# KiCad board Master Timing Card.kicad_pcb (continued)
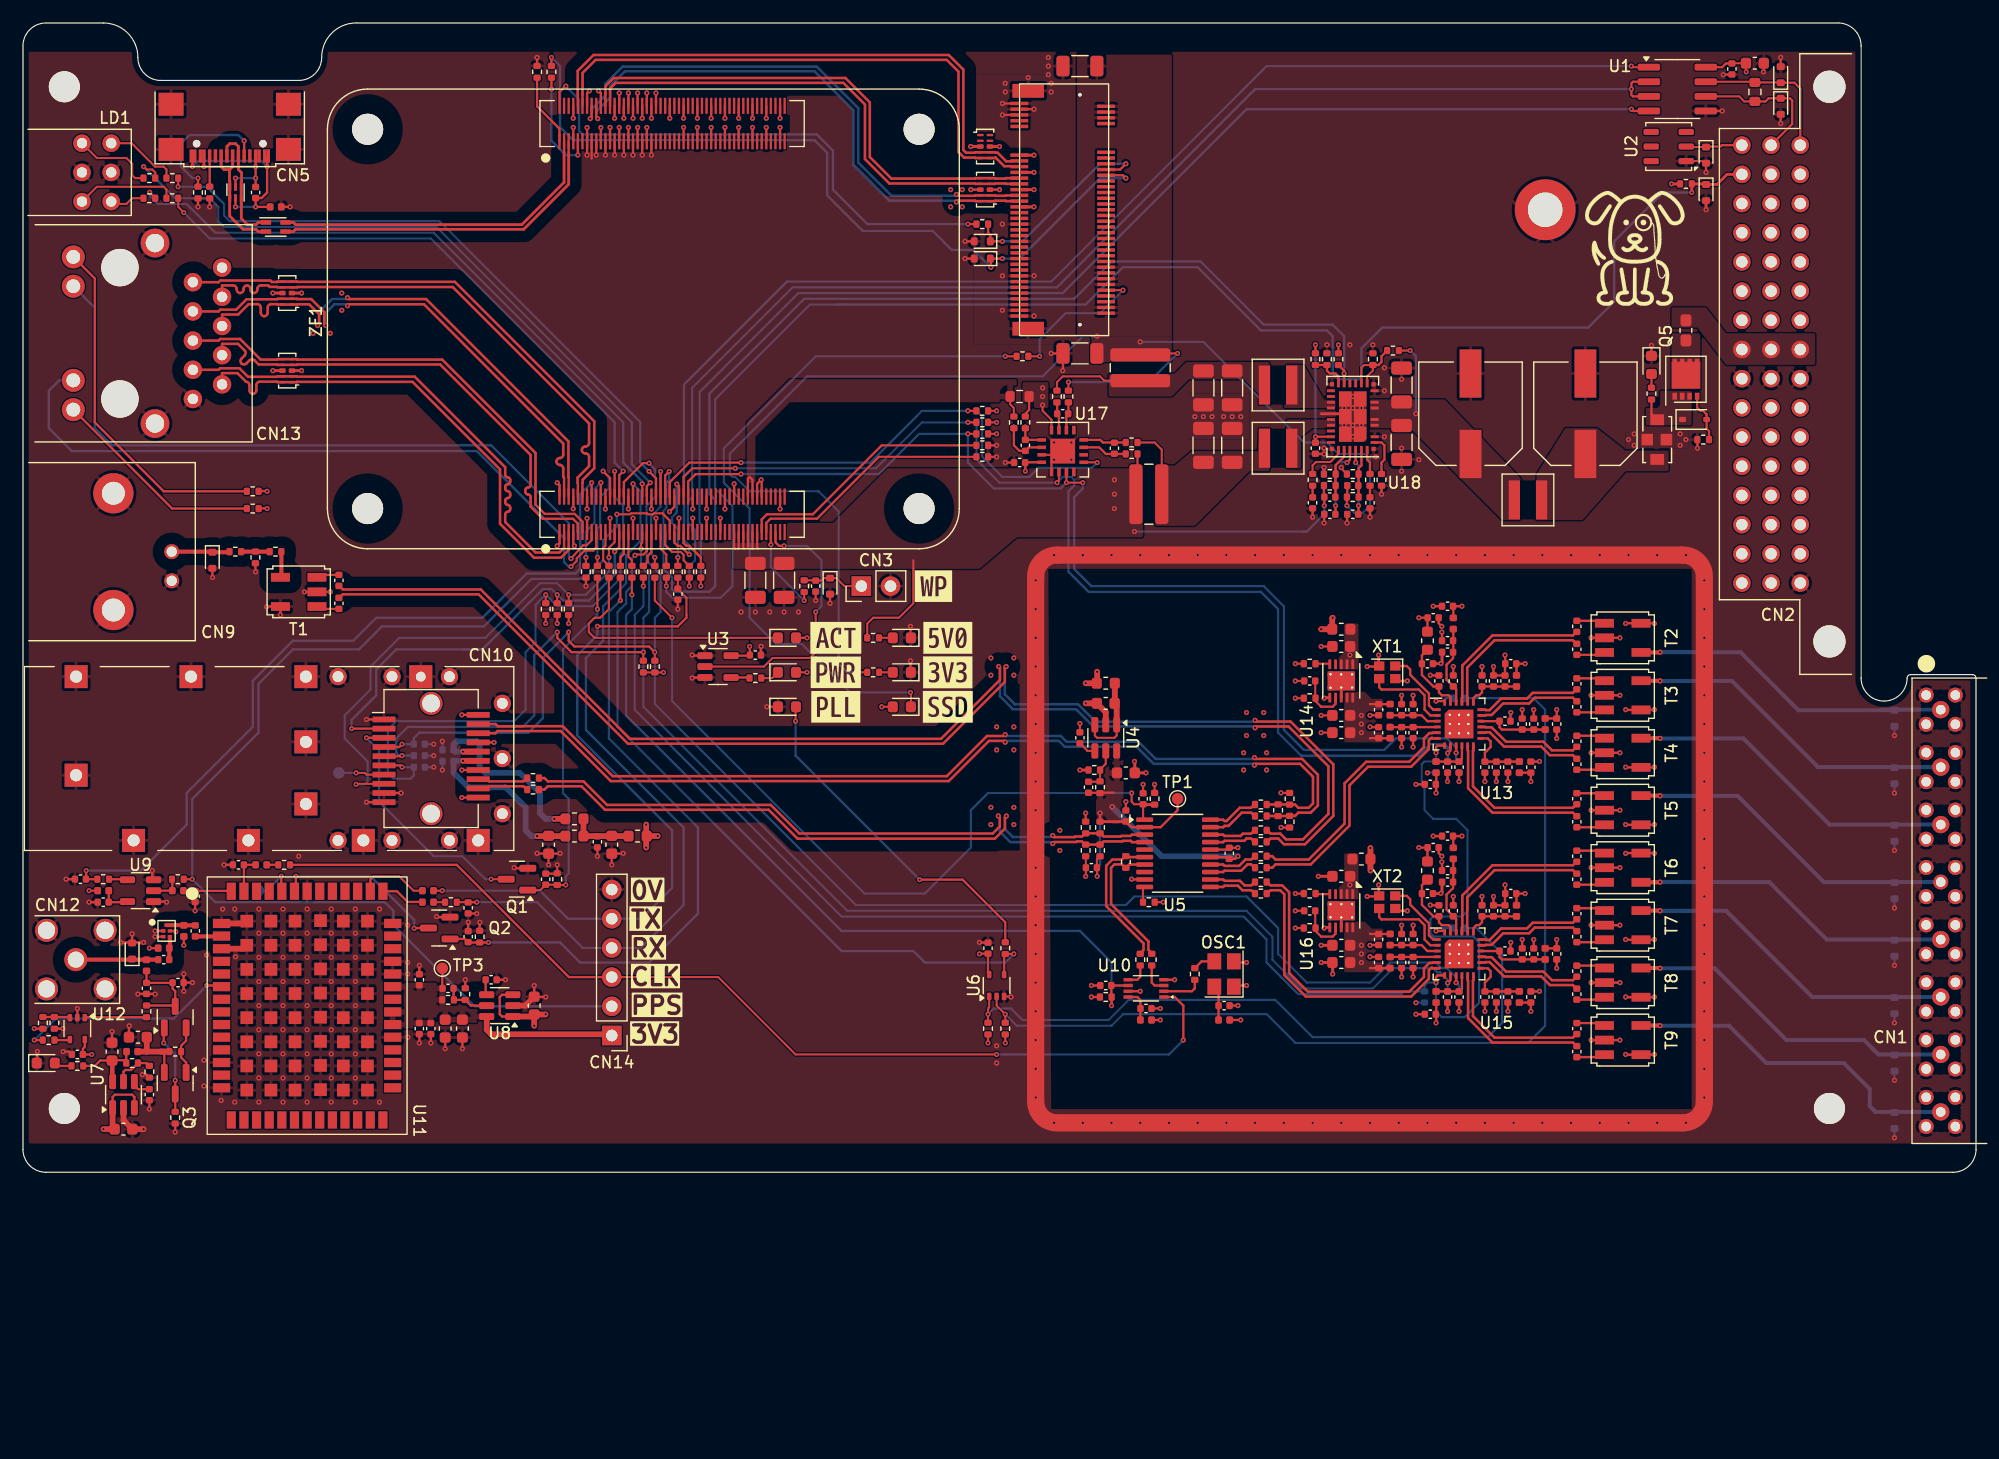
[diagram p0: board, top side]
## Placement (name value [footprint] x y rotation side) (continued)
R107  56m  [R_1020_2550Metric]  97.25 70 90 top
R108  160k  [R_0402_1005Metric]  113.75 59.75 0 top
R109  30k  [R_0402_1005Metric]  113.75 60.75 180 top
R110  47k  [R_0402_1005Metric]  115.75 58.75 0 top
R111  15k  [R_0402_1005Metric]  115.75 60.75 180 top
R112  4k7  [R_0402_1005Metric]  74 46.5 0 top
R113  4k7  [R_0402_1005Metric]  74 43.5 0 top
R114  6R8  [R_0402_1005Metric]  96.5 63.5 180 top
R115  6R8  [R_0402_1005Metric]  96.5 62.5 180 top
R116  6R8  [R_0402_1005Metric]  90 67.5 270 top
R117  6R8  [R_0402_1005Metric]  91 67.5 270 top
SH1  MS585-10F  [Shield_Masach_MS585-10_58.2x49.4x4.7mm_SMD]  117.25 29 0 top
T1  TC2-72T+  [MiniCircuits_AT1521]  24 50.5 270 top
T2  TC2-72T+  [MiniCircuits_AT1521]  139.25 46.5 90 top
T3  TC2-72T+  [MiniCircuits_AT1521]  139.25 41.5 90 top
T4  TC2-72T+  [MiniCircuits_AT1521]  139.25 36.5 90 top
T5  TC2-72T+  [MiniCircuits_AT1521]  139.25 31.5 90 top
T6  TC2-72T+  [MiniCircuits_AT1521]  139.25 26.5 90 top
T7  TC2-72T+  [MiniCircuits_AT1521]  139.25 21.5 90 top
T8  TC2-72T+  [MiniCircuits_AT1521]  139.25 16.5 90 top
T9  TC2-72T+  [MiniCircuits_AT1521]  139.25 11.5 90 top
TP1  ~  [TestPoint_Pad_D1.0mm]  100.5 32.5 0 top
TP2  ~  [TestPoint_Pad_D1.0mm]  27.5 34.75 180 bottom
TP3  ~  [TestPoint_Pad_D1.0mm]  36.5 17.75 0 top
TP4  ~  [TestPoint_Pad_D1.0mm]  20.5 24.5 180 bottom
U1  Analog MAX3483ESA+  [SOIC-8_3.9x4.9mm_P1.27mm]  144 94.25 0 top
U2  DS2431P+  [TSOC-6_3.76x3.94mm_P1.27mm]  143.25 89.25 180 top
U3  SN74LVC1G125DBV  [SOT-23-5]  60.5 44 0 top
U4  TI TPS79301DBV  [SOT-23-6]  94.25 37.8 270 top
U5  SY75576LKY  [TSSOP-20_4.4x6.5mm_P0.65mm]  100.5 27.75 0 top
U6  SN74LVC1G02DCK  [SOT-353_SC-70-5]  84.75 16.25 90 top
U7  TI TPS79301DBV  [SOT-23-6]  8.75 6.75 90 top
U8  TI TPS79301DBV  [SOT-23-6]  41.5 14.5 180 top
U9  SN74LVC1G125DBV  [SOT-23-5]  10.23 24.5 180 top
U10  SN74LVC2G157DCU  [VSSOP-8_2.3x2mm_P0.5mm]  97.75 16 180 top
U11  ZED-F9T-10B  [uBlox_ZED]  24.73 14.5 270 top
U12  TLV7031DCK  [SOT-353_SC-70-5]  4.73 12.5 270 top
U13  RC32504A000GNK#BB0  [Renesas_QFN-24-1EP_4x4mm_P0.5mm_EP2.5x2.5mm_ThermalVias]  125 39 0 top
U14  LT3045IDD#PBF  [DFN-10-1EP_3x3mm_P0.5mm_EP1.65x2.38mm_ThermalVias]  114.75 42.75 270 top
U15  RC32504A000GNK#BB0  [Renesas_QFN-24-1EP_4x4mm_P0.5mm_EP2.5x2.5mm_ThermalVias]  125 19 0 top
U16  LT3045IDD#PBF  [DFN-10-1EP_3x3mm_P0.5mm_EP1.65x2.38mm_ThermalVias]  114.75 22.75 270 top
U17  INA3221AIRGV  [Texas_VQFN-16-1EP_RGV0016A]  90.5 62.75 0 top
U18  Analog LT8650SEV#PBF  [LQFN-32(28)-6EP_6x4mm_P0.5mm_EP1.1x1.33mm]  115.75 65.75 180 top
XT1  60MHz  [Crystal_SMD_2016-4Pin_2.0x1.6mm]  118.75 43.5 180 top
XT2  60MHz  [Crystal_SMD_2016-4Pin_2.0x1.6mm]  118.75 23.5 180 top
ZD1  15V  [D_SOD-323]  145.5 65.5 0 top
ZF1  CM4004016  [Raspberry-Pi-4-Compute-Module]  78 57.75 90 top

## Library data of the parts
C1 C11 C15 C23 C28 C32 C33 C41-C43 C49 C85 C91 C92 C128 C134 C135 = -: Datasheet: https://www.mouser.co.uk/datasheet/2/585/MLCC-1837944.pdf; Dielectric: X5R; Height: 0.9mm; MPN: CL10A106MO8NQNC; Manufacturer: Samsung Electro-Mechanics; Tolerance: 20%; Voltage: 16V
C2 C3 C6 C8 C12 C13 C16-C22 C24 C27 C30 C34-C38 C45 C48 C50-C53 C56 C58-C64 C72-C78 C83 C88 C93-C107 C115-C121 C126 C131 C136-C143 C154 = -: Datasheet: https://www.yageo.com/upload/media/product/productsearch/datasheet/mlcc/UPY-GPHC_X7R_6.3V-to-250V_23.pdf; Dielectric: X7R; Height: 0.5mm; MPN: CC0402KRX7R8BB104; Manufacturer: Yageo; Tolerance: 10%; Voltage: 25V
C4 C5 C9 C10 = -: Datasheet: https://www.farnell.com/datasheets/3673819.pdf; Dielectric: X5R; Height: 2.29mm; MPN: 12063D226KAT2A; Manufacturer: Kyocera AVX; Tolerance: 10%; Voltage: 25V
C7 C90 C133 C149 C161 C162 = -: Datasheet: https://www.mouser.co.uk/datasheet/2/447/KEM_C1006_X5R_SMD-3316465.pdf; Dielectric: X5R; Height: Nonemm; MPN: C0402C105K4PACTU; Manufacturer: Kemet; Tolerance: 0.1; Voltage: 16V
C14 C40 = -: Datasheet: https://www.mouser.co.uk/datasheet/2/447/KEM_C1006_X5R_SMD-3316465.pdf; Dielectric: NP0/C0G; Height: 0.5mm; MPN: C0402C150D5GACTU; Manufacturer: Kemet; Tolerance: 0.5 pF; Voltage: 50V
C25 C26 C29 = -: Datasheet: https://www.mouser.co.uk/datasheet/2/447/KEM_C1006_X5R_SMD-3316465.pdf; Dielectric: NP0/C0G; Height: 0.5mm; MPN: C0402C101F1GACTU; Manufacturer: Kemet; Tolerance: 0.01; Voltage: 100V
C31 C39 C46 C47 = -: Datasheet: https://www.mouser.co.uk/datasheet/2/447/KEM_C1006_X5R_SMD-3316465.pdf; Dielectric: NP0/C0G; Height: 0.5mm; MPN: C0402C101G5GACTU; Manufacturer: Kemet; Tolerance: 0.02; Voltage: 50V
C44 = -: Datasheet: https://www.mouser.co.uk/datasheet/2/447/KEM_C1006_X5R_SMD-3316465.pdf; Dielectric: NP0/C0G; Height: 0.5mm; MPN: C0402C220C5GACTU; Manufacturer: Kemet; Tolerance: 0.25 pF; Voltage: 50V
C54 C79-C82 C122-C125 = -: Datasheet: https://www.mouser.co.uk/datasheet/2/447/KEM_C1002_X7R_SMD-3316098.pdf; Dielectric: X7R; Height: 0.5mm; MPN: C0402C472K5RACTU; Manufacturer: Kemet; Tolerance: 10%; Voltage: 50V
C55 C57 = -: Datasheet: https://www.mouser.co.uk/datasheet/2/447/KEM_C1006_X5R_SMD-3316465.pdf; Dielectric: NP0/C0G; Height: 0.5mm; MPN: C0402C470F5GACTU; Manufacturer: Kemet; Tolerance: 0.01; Voltage: 50V
C65-C71 C86 C108-C114 C129 = -: Datasheet: https://www.mouser.co.uk/datasheet/2/447/KEM_C1006_X5R_SMD-3316465.pdf; Dielectric: X5R; Height: Nonemm; MPN: C0402C106M9PACTU; Manufacturer: Kemet; Tolerance: 0.2; Voltage: 6.3V
C84 C87 C89 C127 C130 C132 = -: Datasheet: https://www.mouser.co.uk/datasheet/2/447/KEM_C1006_X5R_SMD-3316465.pdf; Dielectric: NP0/C0G; Height: 0.5mm; MPN: C0402C101F5GACTU; Manufacturer: Kemet; Tolerance: 0.01; Voltage: 50V
C144 C146 = -: Datasheet: https://www.we-online.com/components/products/datasheet/875575553004.pdf; Dielectric: Aluminium Hybrid Polymer; Height: 10.5mm; MPN: 875575553004; Manufacturer: Wurth Elektronik; Tolerance: 20%; Voltage: 25V
C147 C148 = -: Datasheet: https://www.mouser.co.uk/datasheet/2/40/cx5r_KGM-3223198.pdf; Dielectric: X5R; Height: 1.9mm; MPN: 1206DD106MAT2A; Manufacturer: Kyocera AVX; Tolerance: 20%; Voltage: 35V
C150 C151 = -: Datasheet: https://www.mouser.co.uk/datasheet/2/447/KEM_C1006_X5R_SMD-3316465.pdf; Dielectric: X5R; Height: Nonemm; MPN: C0402C103K4PACTU; Manufacturer: Kemet; Tolerance: 0.1; Voltage: 16V
C152 C153 = -: Datasheet: https://www.mouser.co.uk/datasheet/2/447/KEM_C1006_X5R_SMD-3316465.pdf; Dielectric: NP0/C0G; Height: 0.5mm; MPN: C0402C221G5GACTU; Manufacturer: Kemet; Tolerance: 0.02; Voltage: 50V
C155-C158 = -: Datasheet: https://product.tdk.com/system/files/dam/doc/product/capacitor/ceramic/mlcc/catalog/mlcc_commercial_general_en.pdf; Dielectric: X5R; Height: 1.6mm; MPN: C3216X5R1E476M160AC; Manufacturer: TDK; Tolerance: 20%; Voltage: 25V
C159 C160 = -: Datasheet: https://www.mouser.co.uk/datasheet/2/447/KEM_C1006_X5R_SMD-3316465.pdf; Dielectric: NP0/C0G; Height: 0.5mm; MPN: C0402C100D4GACTU; Manufacturer: Kemet; Tolerance: 0.5 pF; Voltage: 16V
CN1 = -: Datasheet: https://suddendocs.samtec.com/prints/grfx-j-p-xx-xx-ra-xxx-x-mkt.pdf; MPN: GRF1-J-P-08-E-RA-TH1; Manufacturer: Samtec
CN2 = -: Datasheet: https://cdn.amphenol-cs.com/media/wysiwyg/files/drawing/c-8609-2027.pdf; MPN: 86093488613755E1LF; Manufacturer: Amphenol
CN3 = -: Datasheet: https://cdn.harwin.com/pdfs/M20-999.pdf; MPN: M20-9990246; Manufacturer: Harwin
CN4 = -: Datasheet: https://datasheets.raspberrypi.com/cm4/cm4-datasheet.pdf; MPN: DF40C-100DS-0.4V(51); Manufacturer: Hirose
CN5 = -: Datasheet: https://www.mouser.co.uk/datasheet/2/837/GCT_32823_usb4110-3134485.pdf; Manufacturer: GCT
CN6 = -: MPN: DF40C-100DS-0.4V(51); Manufacturer: Hirose
CN7 = -: Datasheet: https://www.te.com/commerce/DocumentDelivery/DDEController?Action=showdoc&DocId=Customer+Drawing%7F2199230%7FB3%7Fpdf%7FEnglish%7FENG_CD_2199230_B3.pdf%7F1-2199230-6; MPN: 1-2199230-6; Manufacturer: TE Connectivity
CN8 = -: Datasheet: https://www.we-online.com/components/products/datasheet/9774025243R.pdf; MPN: 9774025243R; Manufacturer: Wurth Electronik
CN9 = -: Datasheet: https://www.molex.com/content/dam/molex/molex-dot-com/products/automated/en-us/salesdrawingpdf/731/73138/731385033_sd.pdf?inline; Manufacturer: Molex
CN10 = -: Datasheet: https://mm.digikey.com/Volume0/opasdata/d220001/medias/docus/411/U77-A111X-X0LX-RevA_Dwg.pdf; Manufacturer: Amphenol ICC
CN11 = -: Datasheet: https://mm.digikey.com/Volume0/opasdata/d220001/medias/docus/895/Ux75-A20-x00xx.pdf; Manufacturer: Amphenol ICC
CN12 = -: Datasheet: https://www.mouser.co.uk/datasheet/2/418/9/ENG_CD_C_CONSMA002_L_X_A-3246999.pdf; MPN: CONSMA002-L-G; Manufacturer: TE Connectivity
CN13 = -: Datasheet: https://www.te.com/commerce/DocumentDelivery/DDEController?Action=showdoc&DocId=Customer+Drawing%7F1-2301994-2%7FB2%7Fpdf%7FEnglish%7FENG_CD_1-2301994-2_B2.pdf%7F1-2301994-2; Manfacturer: Abracon; Manufacturer: TE Connectivity
CN14 = -: Datasheet: https://cdn.harwin.com/pdfs/M20-999.pdf; MPN: M20-9990646; Manufacturer: Harwin
D1-D5 D7 D8 D11 D18 D19 = -: Datasheet: https://www.littelfuse.com/media?resourcetype=datasheets&itemid=13e8cf99-f83e-4420-b01d-a95f292826b3&filename=littelfuse-tvs-diode-array-aq3522-01ltg-datasheet; Height: 0.77mm; MPN: AQ3522-01LTG; Manufacturer: Littelfuse
D6 D9 D10 D12 D15 D16 D22 = -: Datasheet: https://www.mouser.co.uk/datasheet/2/916/PESD3V3U1UB-2938348.pdf; Height: 0.65mm; MPN: PESD3V3U1UB,115; Manufacturer: nexperia
D13 = -: Manufacturer: ST Microelectronics
D14 D17 D20 D21 = -: Datasheet: https://www.ti.com/lit/ds/symlink/tpd4e05u06.pdf?ts=1701018973786&ref_url=https%253A%252F%252Fwww.ti.com%252Fproduct%252FTPD4E05U06; Manufacturer: Texas Instruments
F1 = -: Datasheet: https://4donline.ihs.com/images/VipMasterIC/IC/LFSI/LFSIS12463/LFSIS12463-1.pdf?hkey=6D3A4C79FDBF58556ACFDE234799DDF0; MPN: 0467001.NR; Manufacturer: Littelfuse
FB1 FB4-FB17 FB20-FB26 FB29 = -: Datasheet: https://www.murata.com/en-eu/products/productdetail?partno=BLM15BD182SN1%23; Height: 0.5mm; MPN: BLM15BD182SN1D; Manufacturer: Murata; Rated Current: 100mA
FB2 FB3 FB18 FB19 FB27 FB28 = -: Datasheet: https://www.murata.com/en-eu/products/productdetail?partno=BLM18AG601SN1%23; Height: 0.95mm; MPN: BLM18AG601SN1D; Manufacturer: Murata; Rated Current: 500mA
FL1 = -: Datasheet: https://www.we-online.com/components/products/datasheet/744231091.pdf; Height: 1.2mm; MPN: 744231091; Manufacturer: Wurth Elektronik; Rated Current: 370mA
FL2 = -: Datasheet: https://mm.digikey.com/Volume0/opasdata/d220001/medias/docus/4802/B39162B8389P810.pdf; Manufacturer: Qualcomm
FL3 = -: Datasheet: https://www.murata.com/en-eu/products/productdetail?partno=NFM31HK153R1H3%23; Manufacturer: Murata
L1 L2 = -: Datasheet: https://www.coilcraft.com/getmedia/d1383945-8e89-4315-a3c0-59c445701e7e/0603af.pdf; Height: 0.91mm; MPN: 0603AF-102XJR; Manufacturer: Coilcraft; Tolerance: 5%
L3 L4 = -: Datasheet: https://www.coilcraft.com/getmedia/b3553702-9a56-4386-b513-fcddf8709240/0402dc.pdf; Height: 0.65mm; MPN: 0402DC-5N1XJRW; Manufacturer: Coilcraft; Tolerance: 5%
L5 = -: Datasheet: https://www.coilcraft.com/getmedia/b3553702-9a56-4386-b513-fcddf8709240/0402dc.pdf; Height: 0.65mm; MPN: 0402DC-47NXJRW; Manufacturer: Coilcraft; Tolerance: 5%
L6-L8 = -: Datasheet: https://www.coilcraft.com/getmedia/8245f050-f190-4295-8c41-7c03d662ee3d/xel4030.pdf; Height: 3.1mm; MPN: XEL4030-222MED; Manufacturer: Coilcraft; Tolerance: 20%
LD1 = -: Datasheet: https://www.mouser.co.uk/datasheet/2/216/WP130WCP_2EGW-574.pdf; Manufacturer: Kingbright
LD2 = -: Datasheet: https://www.mouser.co.uk/datasheet/2/239/LTST_C193KRKT_5A-1141706.pdf; MPN: LTST-C193KRKT-5A; Manufacturer: Lite-On
LD3-LD9 = -: Datasheet: https://datasheet.lcsc.com/lcsc/2203301830_EKINGLUX-E6C0603VGAC1UDA_C375447.pdf; MPN: E6C0603VGAC1UDA; Manufacturer: Ekinglux
OSC1 = -: Datasheet: https://www.mouser.co.uk/datasheet/2/3/I537_I538_I737_I738_Series-1847367.pdf; MPN: I537-2O7-10.000_MHz; Manufacturer: Abracon
Q1 Q2 = -: Datasheet: https://www.diodes.com/assets/Datasheets/DMN62D0U.pdf; Manufacturer: Diodes Inc.
Q3 Q4 = -: Datasheet: https://www.mouser.co.uk/datasheet/2/115/DIOD_S_A0001839445_1-2541927.pdf; Manufacturer: Diodes Inc.
Q5 = -: Datasheet: https://www.taiwansemi.com/assets/uploads/datasheet/TSM085P03CV_A1605.pdf; Manufacturer: Taiwan Semiconductor
R1-R4 R6 R27 R36 R80 R89 R90 = -: Datasheet: https://www.koaspeer.com/pdfs/RK73H.pdf; Height: 0.4mm; MPN: RK73H1ETTP1001F; Manufacturer: KOA Speer; Tolerance: 1%
R5 = -: Datasheet: https://www.koaspeer.com/pdfs/RK73H.pdf; Height: 0.55mm; MPN: RK73H1JTTD1200F; Manufacturer: KOA Speer; Tolerance: 1%
R7 R8 R10 R11 R17 R25 R26 R76 R96 R112 R113 = -: Datasheet: https://www.koaspeer.com/pdfs/RK73H.pdf; Height: 0.4mm; MPN: RK73H1ETTP4701F; Manufacturer: KOA Speer; Tolerance: 1%
R9 R13 R49 R50 R54-R59 R66-R69 R75 R77 R79 = -: Datasheet: https://www.koaspeer.com/pdfs/RK73H.pdf; Height: 0.4mm; MPN: RK73H1ETTP33R0F; Manufacturer: KOA Speer; Tolerance: 1%
R12 R16 R18-R23 R34 R35 R44 R84 R87 R92 = -: Datasheet: https://www.koaspeer.com/pdfs/RK73H.pdf; Height: 0.4mm; MPN: RK73H1ETTP1000F; Manufacturer: KOA Speer; Tolerance: 1%
R14 R15 R24 R33 R99 R100 = -: Datasheet: https://www.koaspeer.com/pdfs/RK73H.pdf; Height: 0.4mm; MPN: RK73Z1ETTP; Manufacturer: KOA Speer; Tolerance: 1%
R28 = -: Datasheet: http://industrial.panasonic.com/cdbs/www-data/pdf/RDN0000/AOA0000C313.pdf; Height: 0.45mm; MPN: ERJ3RSFR15V; Manufacturer: Panasonic; Tolerance: 1%
R29 R30 R114-R117 = -: Datasheet: https://www.koaspeer.com/pdfs/RK73H.pdf; Height: 0.4mm; MPN: RK73H1ETTP6R80F; Manufacturer: KOA Speer; Tolerance: 1%
R31 R32 = -: Datasheet: https://www.koaspeer.com/pdfs/RK73H.pdf; Height: 0.4mm; MPN: RK73H1ETTP5101F; Manufacturer: KOA Speer; Tolerance: 1%
R37 R39 = -: Datasheet: https://www.koaspeer.com/pdfs/RK73H.pdf; Height: 0.4mm; MPN: RK73H1ETTP82R0F; Manufacturer: KOA Speer; Tolerance: 1%
R38 R40 = -: Datasheet: https://www.koaspeer.com/pdfs/RK73H.pdf; Height: 0.4mm; MPN: RK73H1ETTP1300F; Manufacturer: KOA Speer; Tolerance: 1%
R41 R70 R72 R83 = -: Datasheet: https://www.koaspeer.com/pdfs/RK73H.pdf; Height: 0.4mm; MPN: RK73H1ETTP2202F; Manufacturer: KOA Speer; Tolerance: 1%
R42 R73 = -: Datasheet: https://www.koaspeer.com/pdfs/RK73H.pdf; Height: 0.4mm; MPN: RK73H1ETTP1302F; Manufacturer: KOA Speer; Tolerance: 1%
R43 R45 R47 R48 R60 R74 R78 R82 R85 R94 R98 = -: Datasheet: https://www.koaspeer.com/pdfs/RK73H.pdf; Height: 0.4mm; MPN: RK73H1ETTP1002F; Manufacturer: KOA Speer; Tolerance: 1%
R46 = -: Datasheet: https://www.koaspeer.com/pdfs/RK73H.pdf; Height: 0.4mm; MPN: RK73H1ETTP4750F; Manufacturer: KOA Speer; Tolerance: 1%
R51 = -: Datasheet: https://www.koaspeer.com/pdfs/RK73H.pdf; Height: 0.4mm; MPN: RK73H1ETTP1400F; Manufacturer: KOA Speer; Tolerance: 1%
R52 R53 = -: Datasheet: https://www.koaspeer.com/pdfs/RK73H.pdf; Height: 0.4mm; MPN: RK73H1ETTP1800F; Manufacturer: KOA Speer; Tolerance: 1%
R61 R63 = -: Datasheet: https://www.koaspeer.com/pdfs/RK73H.pdf; Height: 0.4mm; MPN: RK73H1ETTP20R0F; Manufacturer: KOA Speer; Tolerance: 1%
R62 = -: Datasheet: https://www.koaspeer.com/pdfs/RK73H.pdf; Height: 0.4mm; MPN: RK73H1ETTP51R0F; Manufacturer: KOA Speer; Tolerance: 1%
R64 R65 R81 = -: Datasheet: https://www.koaspeer.com/pdfs/RK73H.pdf; Height: 0.4mm; MPN: RK73H1ETTP10R0F; Manufacturer: KOA Speer; Tolerance: 1%
R71 = -: Datasheet: https://www.koaspeer.com/pdfs/RK73H.pdf; Height: 0.4mm; MPN: RK73H1ETTP7501F; Manufacturer: KOA Speer; Tolerance: 1%
R86 R91 = -: Datasheet: https://www.koaspeer.com/pdfs/RK73H.pdf; Height: 0.4mm; MPN: RK73H1ETTP3300F; Manufacturer: KOA Speer; Tolerance: 1%
R88 R93 = -: Datasheet: https://www.koaspeer.com/pdfs/RK73H.pdf; Height: 0.4mm; MPN: RK73H1ETTP1802F; Manufacturer: KOA Speer; Tolerance: 1%
R95 R110 = -: Datasheet: https://www.koaspeer.com/pdfs/RK73H.pdf; Height: 0.4mm; MPN: RK73H1ETTP4702F; Manufacturer: KOA Speer; Tolerance: 1%
R97 = -: Datasheet: https://www.koaspeer.com/pdfs/RK73H.pdf; Height: 0.4mm; MPN: RK73H1ETTP1203F; Manufacturer: KOA Speer; Tolerance: 1%
R101-R103 R111 = -: Datasheet: https://www.koaspeer.com/pdfs/RK73H.pdf; Height: 0.4mm; MPN: RK73H1ETTP1502F; Manufacturer: KOA Speer; Tolerance: 1%
R104 R105 = -: Datasheet: https://www.koaspeer.com/pdfs/RK73H.pdf; Height: 0.4mm; MPN: RK73H1ETTP1003F; Manufacturer: KOA Speer; Tolerance: 1%
R106 R107 = -: Datasheet: http://industrial.panasonic.com/cdbs/www-data/pdf/RDN0000/AOA0000C325.pdf; Height: 0.55mm; MPN: ERJB1CFR056U; Manufacturer: Panasonic; Tolerance: 1%
R108 = -: Datasheet: https://www.koaspeer.com/pdfs/RK73H.pdf; Height: 0.4mm; MPN: RK73H1ETTP1603F; Manufacturer: KOA Speer; Tolerance: 1%
R109 = -: Datasheet: https://www.koaspeer.com/pdfs/RK73H.pdf; Height: 0.4mm; MPN: RK73H1ETTP3002F; Manufacturer: KOA Speer; Tolerance: 1%
SH1 = -: Datasheet: https://api.masach.com/media/catalog/product/file/MS585-10.pdf; Manufacturer: Masach
T1-T9 = -: Datasheet: https://www.minicircuits.com/pdfs/TC2-72T+.pdf; Manufacturer: Minicircuits
U1 = -: Datasheet: https://www.mouser.co.uk/datasheet/2/609/MAX3483_MAX3491-3128737.pdf; MPN: MAX3483ESA+; Manufacturer: Analog Devices
U2 = -: Datasheet: https://www.analog.com/media/en/technical-documentation/data-sheets/ds2431.pdf; Manufacturer: Analog Devices
U3 U9 = -: Datasheet: https://www.ti.com/lit/ds/symlink/sn74lvc1g125.pdf?HQS=dis-mous-null-mousermode-dsf-pf-null-wwe&ts=1699137013279&ref_url=https%253A%252F%252Fwww.mouser.ee%252F; Manufacturer: Texas Instruments
U4 U7 U8 = -: Datasheet: https://www.ti.com/lit/ds/symlink/tps793.pdf?HQS=dis-mous-null-mousermode-dsf-pf-null-wwe&ts=1698265713931&ref_url=https%253A%252F%252Fwww.mouser.co.uk%252F; MPN: TPS79301DBV; Manufacturer: TI
U5 = -: Datasheet: https://www.mouser.co.uk/datasheet/2/268/SY75576L-1891689.pdf; Manufacturer: Microchip
U6 = -: Datasheet: https://www.ti.com/lit/ds/symlink/sn74lvc1g02.pdf?ts=1702154958053&ref_url=https%253A%252F%252Fwww.google.com%252F; Manufacturer: Texas Instruments
U10 = -: Datasheet: https://www.ti.com/lit/ds/symlink/sn74lvc2g157.pdf?ts=1702204823917; Manufacturer: Texas Instruments
U11 = -: Datasheet: https://content.u-blox.com/sites/default/files/ZED-F9T-10B_DataSheet_UBX-20033635.pdf; Manufacturer: uBlox
U12 = -: Datasheet: http://www.ti.com/lit/ds/symlink/tlv7031.pdf; Manufacturer: Texas Instruments
U13 U15 = -: Datasheet: https://www.renesas.com/eu/en/document/dst/rc32504a-datasheet?r=1491611; Manufacturer: Renesas
U14 U16 = -: Datasheet: https://www.analog.com/media/en/technical-documentation/data-sheets/lt3045.pdf; Manufacturer: Analog Devices
U17 = -: Datasheet: https://www.ti.com/lit/ds/symlink/ina3221.pdf?HQS=dis-mous-null-mousermode-dsf-pf-null-wwe&ts=1701710172007&ref_url=https%253A%252F%252Fwww.mouser.co.cr%252F; Manufacturer: Texas Instruments
U18 = -: Datasheet: https://www.analog.com/media/en/technical-documentation/data-sheets/lt8650s.pdf; MPN: LT8650SEV#PBF; Manufacturer: Analog Devices
XT1 XT2 = -: Datasheet: https://www.mouser.co.uk/datasheet/2/122/ECX_1637B-1649431.pdf; MPN: 600-8-37B-CTN; Manufacturer: ECS
ZD1 = -: Datasheet: https://www.farnell.com/datasheets/2028649.pdf; Height: 1mm; MPN: MM3Z15VST1G; Manufacturer: onsemi
ZF1 = -: Field4: Hirose; Field5: 2off DF40C-100DS-0.4V; Field6: 2off DF40C-100DS-0.4V; Field7: Hirose; Part Description: 100 Position Connector Receptacle, Center Strip Contacts Surface Mount Gold; MPN: Compute Module 4; Manufacturer: Raspberry Pi

## Footprints (pads in the part's own frame, mm; a bottom-side part is the same pattern mirrored in y, then rotated)
Amphenol_U77-A1114-30L1
  rect 2x2 hole 1.05: 1(-30.9,7.125) 1(-30.9,-1.45) 1(-25.9,-7.125) 1(-20.9,7.125) 1(-15.9,-7.125) 1(-10.9,7.125) 1(-10.9,1.45) 1(-10.9,-3.95) 1(-5.9,-7.125) 1(4.1,-7.125)
  round 1.5 hole 0.95: 1(-8.1,7.125) 1(-8.1,-7.125) 1(-3.4,7.125) 1(-3.4,-7.125) 1(1.6,7.125) 1(1.6,-7.125) 1(6.2,4.8) 1(6.2,0) 1(6.2,-4.8)
  rect 2x2 hole 0.85: 1(-0.9,7.125)
Amphenol_UE75-A20-6000T
  round 2 hole 1.55 unplated: (0,4.8) (0,-4.8)
  rect 2x0.5 smd: 1(-4.1,3.4) 2(-4.1,2.6) 3(-4.1,1.8) 4(-4.1,1) 5(-4.1,0.2) 6(-4.1,-0.6) 7(-4.1,-1.4) 8(-4.1,-2.2) 9(-4.1,-3) 10(-4.1,-3.8) 11(4.1,-3.4) 12(4.1,-2.6) 13(4.1,-1.8) 14(4.1,-1) 15(4.1,-0.2) 16(4.1,0.6) 17(4.1,1.4) 18(4.1,2.2) 19(4.1,3) 20(4.1,3.8)
BNC_Molex_731385033
  round 1.3 hole 0.89: 1(0,12.95) 2(2.54,12.95)
  round 3.5 hole 2: 2(-5.08,7.87) 2(5.08,7.87)
C_0402_1005Metric
  rrect 0.56x0.62 smd: 1(-0.48,0) 2(0.48,0)
C_0603_1608Metric
  rrect 0.9x0.95 smd: 1(-0.775,0) 2(0.775,0)
C_1206_3216Metric
  rrect 1.15x1.8 smd: 1(-1.475,0) 2(1.475,0)
Coilcraft_XEL4030
  rect 0.98x3.4 smd: 1(-1.185,0) 2(1.185,0)
Crystal_SMD_2016-4Pin_2.0x1.6mm
  rect 0.9x0.8 smd: 1(-0.7,-0.55) 2(0.7,-0.55) 3(0.7,0.55) 4(-0.7,0.55)
Crystal_SMD_3225-4Pin_3.2x2.5mm
  rect 1.4x1.2 smd: 1(-1.1,-0.85) 2(1.1,-0.85) 3(1.1,0.85) 4(-1.1,0.85)
D_SOD-323
  rrect 0.6x0.45 smd: 1(-1.05,0) 2(1.05,0)
D_SOD-523
  rrect 0.6x0.7 smd: 1(-0.7,0) 2(0.7,0)
DFN-10-1EP_3x3mm_P0.5mm_EP1.65x2.38mm_ThermalVias
  rrect 0.67x0.96 smd: (-0.41,0.595) (-0.41,-0.595) (0.41,0.595) (0.41,-0.595)
  rrect 0.85x0.25 smd: 1(-1.45,1) 2(-1.45,0.5) 3(-1.45,0) 4(-1.45,-0.5) 5(-1.45,-1) 6(1.45,-1) 7(1.45,-0.5) 8(1.45,0) 9(1.45,0.5) 10(1.45,1)
  round 0.5 hole 0.2: 11(-0.575,0.94) 11(-0.575,0) 11(-0.575,-0.94) 11(0.575,0.94) 11(0.575,0) 11(0.575,-0.94)
  rect 1.65x2.38 smd: 11(0,0)
  rect 1.65x2.38 smd far side: 11(0,0)
DIN41612_R_03x16_Receptacle_RA_Amphenol_86093488613755E1LF
  round 2.8 hole 2.8 unplated: (-24.13,-5.08) (24.13,-5.08)
  round 1.524 hole 1: a1(19.05,-2.54) a2(16.51,-2.54) a3(13.97,-2.54) a4(11.43,-2.54) a5(8.89,-2.54) a6(6.35,-2.54) a7(3.81,-2.54) a8(1.27,-2.54) a9(-1.27,-2.54) a10(-3.81,-2.54) a11(-6.35,-2.54) a12(-8.89,-2.54) a13(-11.43,-2.54) a14(-13.97,-2.54) a15(-16.51,-2.54) a16(-19.05,-2.54) b1(19.05,0) b2(16.51,0) b3(13.97,0) b4(11.43,0) b5(8.89,0) b6(6.35,0) b7(3.81,0) b8(1.27,0) b9(-1.27,0) b10(-3.81,0) b11(-6.35,0) b12(-8.89,0) b13(-11.43,0) b14(-13.97,0) b15(-16.51,0) b16(-19.05,0) c1(19.05,2.54) c2(16.51,2.54) c3(13.97,2.54) c4(11.43,2.54) c5(8.89,2.54) c6(6.35,2.54) c7(3.81,2.54) c8(1.27,2.54) c9(-1.27,2.54) c10(-3.81,2.54) c11(-6.35,2.54) c12(-8.89,2.54) c13(-11.43,2.54) c14(-13.97,2.54) c15(-16.51,2.54) c16(-19.05,2.54)
Fuse_0603_1608Metric_Pad1.05x0.95mm_HandSolder
  rrect 1.05x0.95 smd: 1(-0.875,0) 2(0.875,0)
Hirose_DF40C-100DS-0.4V
  rect 1.4x0.2 smd: 1(-1.54,9.8) 2(1.54,9.8) 3(-1.54,9.4) 4(1.54,9.4) 5(-1.54,9) 6(1.54,9) 7(-1.54,8.6) 8(1.54,8.6) 9(-1.54,8.2) 10(1.54,8.2) 11(-1.54,7.8) 12(1.54,7.8) 13(-1.54,7.4) 14(1.54,7.4) 15(-1.54,7) 16(1.54,7) 17(-1.54,6.6) 18(1.54,6.6) 19(-1.54,6.2) 20(1.54,6.2) 21(-1.54,5.8) 22(1.54,5.8) 23(-1.54,5.4) 24(1.54,5.4) 25(-1.54,5) 26(1.54,5) 27(-1.54,4.6) 28(1.54,4.6) 29(-1.54,4.2) 30(1.54,4.2) 31(-1.54,3.8) 32(1.54,3.8) 33(-1.54,3.4) 34(1.54,3.4) 35(-1.54,3) 36(1.54,3) 37(-1.54,2.6) 38(1.54,2.6) 39(-1.54,2.2) 40(1.54,2.2) 41(-1.54,1.8) 42(1.54,1.8) 43(-1.54,1.4) 44(1.54,1.4) 45(-1.54,1) 46(1.54,1) 47(-1.54,0.6) 48(1.54,0.6) 49(-1.54,0.2) 50(1.54,0.2) 51(-1.54,-0.2) 52(1.54,-0.2) 53(-1.54,-0.6) 54(1.54,-0.6) 55(-1.54,-1) 56(1.54,-1) 57(-1.54,-1.4) 58(1.54,-1.4) 59(-1.54,-1.8) 60(1.54,-1.8) 61(-1.54,-2.2) 62(1.54,-2.2) 63(-1.54,-2.6) 64(1.54,-2.6) 65(-1.54,-3) 66(1.54,-3) 67(-1.54,-3.4) 68(1.54,-3.4) 69(-1.54,-3.8) 70(1.54,-3.8) 71(-1.54,-4.2) 72(1.54,-4.2) 73(-1.54,-4.6) 74(1.54,-4.6) 75(-1.54,-5) 76(1.54,-5) 77(-1.54,-5.4) 78(1.54,-5.4) 79(-1.54,-5.8) 80(1.54,-5.8) 81(-1.54,-6.2) 82(1.54,-6.2) 83(-1.54,-6.6) 84(1.54,-6.6) 85(-1.54,-7) 86(1.54,-7) 87(-1.54,-7.4) 88(1.54,-7.4) 89(-1.54,-7.8) 90(1.54,-7.8) 91(-1.54,-8.2) 92(1.54,-8.2) 93(-1.54,-8.6) 94(1.54,-8.6) 95(-1.54,-9) 96(1.54,-9) 97(-1.54,-9.4) 98(1.54,-9.4) 99(-1.54,-9.8) 100(1.54,-9.8)
Hirose_DF40C-100DS-0.4V_pins-101-200
  rect 1.4x0.2 smd: 101(-1.54,9.8) 102(1.54,9.8) 103(-1.54,9.4) 104(1.54,9.4) 105(-1.54,9) 106(1.54,9) 107(-1.54,8.6) 108(1.54,8.6) 109(-1.54,8.2) 110(1.54,8.2) 111(-1.54,7.8) 112(1.54,7.8) 113(-1.54,7.4) 114(1.54,7.4) 115(-1.54,7) 116(1.54,7) 117(-1.54,6.6) 118(1.54,6.6) 119(-1.54,6.2) 120(1.54,6.2) 121(-1.54,5.8) 122(1.54,5.8) 123(-1.54,5.4) 124(1.54,5.4) 125(-1.54,5) 126(1.54,5) 127(-1.54,4.6) 128(1.54,4.6) 129(-1.54,4.2) 130(1.54,4.2) 131(-1.54,3.8) 132(1.54,3.8) 133(-1.54,3.4) 134(1.54,3.4) 135(-1.54,3) 136(1.54,3) 137(-1.54,2.6) 138(1.54,2.6) 139(-1.54,2.2) 140(1.54,2.2) 141(-1.54,1.8) 142(1.54,1.8) 143(-1.54,1.4) 144(1.54,1.4) 145(-1.54,1) 146(1.54,1) 147(-1.54,0.6) 148(1.54,0.6) 149(-1.54,0.2) 150(1.54,0.2) 151(-1.54,-0.2) 152(1.54,-0.2) 153(-1.54,-0.6) 154(1.54,-0.6) 155(-1.54,-1) 156(1.54,-1) 157(-1.54,-1.4) 158(1.54,-1.4) 159(-1.54,-1.8) 160(1.54,-1.8) 161(-1.54,-2.2) 162(1.54,-2.2) 163(-1.54,-2.6) 164(1.54,-2.6) 165(-1.54,-3) 166(1.54,-3) 167(-1.54,-3.4) 168(1.54,-3.4) 169(-1.54,-3.8) 170(1.54,-3.8) 171(-1.54,-4.2) 172(1.54,-4.2) 173(-1.54,-4.6) 174(1.54,-4.6) 175(-1.54,-5) 176(1.54,-5) 177(-1.54,-5.4) 178(1.54,-5.4) 179(-1.54,-5.8) 180(1.54,-5.8) 181(-1.54,-6.2) 182(1.54,-6.2) 183(-1.54,-6.6) 184(1.54,-6.6) 185(-1.54,-7) 186(1.54,-7) 187(-1.54,-7.4) 188(1.54,-7.4) 189(-1.54,-7.8) 190(1.54,-7.8) 191(-1.54,-8.2) 192(1.54,-8.2) 193(-1.54,-8.6) 194(1.54,-8.6) 195(-1.54,-9) 196(1.54,-9) 197(-1.54,-9.4) 198(1.54,-9.4) 199(-1.54,-9.8) 200(1.54,-9.8)
Kingbright_WP130WCP_2EGW
  round 1.524 hole 0.9: 1(-2.54,0) 2(0,0) 3(2.54,0) 4(-2.54,-2.54) 5(0,-2.54) 6(2.54,-2.54)
L_0402_1005Metric
  rrect 0.59x0.64 smd: 1(-0.485,0) 2(0.485,0)
L_0603_1608Metric
  rrect 0.875x0.95 smd: 1(-0.787,0) 2(0.787,0)
L_CommonMode_Wurth_WE-CNSW_0805
  rect 0.9x0.4 smd: 1(-0.85,0.4) 2(0.85,0.4) 3(-0.85,-0.4) 4(0.85,-0.4)
LED_0603_1608Metric
  rrect 0.875x0.95 smd: 1(-0.787,0) 2(0.787,0)
LQFN-32(28)-6EP_6x4mm_P0.5mm_EP1.1x1.33mm
  rect 0.7x0.25 smd: 1(-1.9,2.25) 2(-1.9,1.75) 4(-1.9,0.75) 5(-1.9,0.25) 7(-1.9,-0.75) 8(-1.9,-1.25) 10(-1.9,-2.25) 17(1.9,-2.25) 18(1.9,-1.75) 19(1.9,-1.25) 20(1.9,-0.75) 22(1.9,0.25) 23(1.9,0.75) 24(1.9,1.25) 25(1.9,1.75) 26(1.9,2.25)
  rect 0.25x0.7 smd: 11(-1.25,-2.9) 12(-0.75,-2.9) 13(-0.25,-2.9) 14(0.25,-2.9) 15(0.75,-2.9) 16(1.25,-2.9) 27(1.25,2.9) 28(0.75,2.9) 29(0.25,2.9) 30(-0.25,2.9) 31(-0.75,2.9) 32(-1.25,2.9)
  rrect 1.1x1.33 smd: 33(-0.65,1.53)
  rect 1.1x1.33 smd: 34(0.65,1.53) 35(-0.65,0) 36(0.65,0) 37(-0.65,-1.53) 38(0.65,-1.53)
  rect 0.375x0.375 smd: MNT(-1.812,2.812) MNT(-1.812,-2.812) MNT(1.812,2.812) MNT(1.812,-2.812)
MiniCircuits_AT1521
  rect 0.76x1.65 smd: 1(-1.27,1.59) 2(0,1.59) 3(1.27,1.59) 4(1.27,-1.59) 6(-1.27,-1.59)
MountingHole_2.7mm
  round 2.7 hole 2.7 unplated: (0,0)
Murata_NFM31HK
  rect 0.95x1.2 smd: 1(-1.725,0) 3(1.725,0)
  rect 1x1 smd: 2(0,0.8) 2(0,-0.87)
PDFN33-8
  rect 0.6x0.4 smd: 1(-1.475,0.975) 2(-1.475,0.325) 3(-1.475,-0.325) 4(-1.475,-0.975) 5(1.475,-0.975) 6(1.475,-0.325) 7(1.475,0.325) 8(1.475,0.975)
  rect 2.35x2.5 smd: 5(0.35,0)
PinHeader_1x02_P2.54mm_Vertical
  rect 1.7x1.7 hole 1: 1(0,0)
  oval 1.7x1.7 hole 1: 2(0,-2.54)
PinHeader_1x06_P2.54mm_Vertical
  rect 1.7x1.7 hole 1: 1(0,0)
  oval 1.7x1.7 hole 1: 2(0,-2.54) 3(0,-5.08) 4(0,-7.62) 5(0,-10.16) 6(0,-12.7)
Qualcomm_B8389
  rect 0.3x0.375 smd: 1(-0.5,0) 2(0,-0.287) 3(0.5,-0.287) 4(0.5,0.287) 5(0,0.287)
R_0402_1005Metric
  rrect 0.54x0.64 smd: 1(-0.51,0) 2(0.51,0)
R_0603_1608Metric
  rrect 0.8x0.95 smd: 1(-0.825,0) 2(0.825,0)
R_1020_2550Metric
  rrect 1.15x5.2 smd: 1(-1.125,0) 2(1.125,0)
Raspberry-Pi-4-Compute-Module
  round 2.7 hole 2.7 unplated: (0,48) (0,0) (33,48) (33,0)
Renesas_QFN-24-1EP_4x4mm_P0.5mm_EP2.5x2.5mm_ThermalVias
  rect 0.55x0.25 smd: 1(-1.875,1.25) 2(-1.875,0.75) 3(-1.875,0.25) 4(-1.875,-0.25) 5(-1.875,-0.75) 6(-1.875,-1.25) 13(1.875,-1.25) 14(1.875,-0.75) 15(1.875,-0.25) 16(1.875,0.25) 17(1.875,0.75) 18(1.875,1.25)
  rect 0.25x0.55 smd: 7(-1.25,-1.875) 8(-0.75,-1.875) 9(-0.25,-1.875) 10(0.25,-1.875) 11(0.75,-1.875) 12(1.25,-1.875) 19(1.25,1.875) 20(0.75,1.875) 21(0.25,1.875) 22(-0.25,1.875) 23(-0.75,1.875) 24(-1.25,1.875)
  round 0.45 hole 0.2: 25(-0.8,0.8) 25(-0.8,0.006) 25(-0.8,-0.8) 25(-0.001,0.8) 25(0,0) 25(0,-0.8) 25(0.8,0.8) 25(0.8,0) 25(0.8,-0.8)
  rrect 2.5x2.5 smd: 25(0,0)
Samtec_GRF1-J-P-08-E-RA-TH1
  round 1.5 hole 0.84: 1(-17.5,0) 2(-12.5,0) 3(-7.5,0) 5(2.5,0) 6(7.5,0) 7(12.5,0) 8(17.5,0)
  round 1.3 hole 0.84: 4(-2.5,0) SH1(-18.77,1.27) SH1(-18.77,-1.27) SH1(-16.23,1.27) SH1(-16.23,-1.27) SH2(-13.77,1.27) SH2(-13.77,-1.27) SH2(-11.23,1.27) SH2(-11.23,-1.27) SH3(-8.77,1.27) SH3(-8.77,-1.27) SH3(-6.23,1.27) SH3(-6.23,-1.27) SH4(-3.77,1.27) SH4(-3.77,-1.27) SH4(-1.23,1.27) SH4(-1.23,-1.27) SH5(1.23,1.27) SH5(1.23,-1.27) SH5(3.77,1.27) SH5(3.77,-1.27) SH6(6.23,1.27) SH6(6.23,-1.27) SH6(8.77,1.27) SH6(8.77,-1.27) SH7(11.23,1.27) SH7(11.23,-1.27) SH7(13.77,1.27) SH7(13.77,-1.27) SH8(16.23,1.27) SH8(16.23,-1.27) SH8(18.77,1.27) SH8(18.77,-1.27)
Shield_Masach_MS585-10_58.2x49.4x4.7mm_SMD
  rect 1.5x10 smd: (-29.1,15) (-29.1,0) (-29.1,-15) (29.1,15) (29.1,0) (29.1,-15)
  rect 10x1.5 smd: (-15,24.7) (-15,-24.7) (0,24.7) (0,-24.7) (15,24.7) (15,-24.7)
  custom 3.35x3.35 smd: 1(-29.1,22.85) 1(-27.25,-24.7) 1(27.25,24.7) 1(29.1,-22.85)
  rect 1.5x45.7 smd: 1(-29.1,0) 1(29.1,0)
  rect 54.5x1.5 smd: 1(0,24.7) 1(0,-24.7)
SMA_Linx_CONSMA002-L-G_Horizontal
  round 2 hole 1.4: 1(0,0)
  round 2 hole 1.5: 2(-2.55,2.55) 2(-2.55,-2.55) 2(2.55,2.55) 2(2.55,-2.55)
SOIC-8_3.9x4.9mm_P1.27mm
  rrect 1.95x0.6 smd: 1(-2.475,1.905) 2(-2.475,0.635) 3(-2.475,-0.635) 4(-2.475,-1.905) 5(2.475,-1.905) 6(2.475,-0.635) 7(2.475,0.635) 8(2.475,1.905)
SOT-23
  rrect 1.475x0.6 smd: 1(-0.938,0.95) 2(-0.938,-0.95) 3(0.938,0)
SOT-23-5
  rrect 1.325x0.6 smd: 1(-1.137,0.95) 2(-1.137,0) 3(-1.137,-0.95) 4(1.137,-0.95) 5(1.137,0.95)
SOT-23-6
  rrect 1.325x0.6 smd: 1(-1.137,0.95) 2(-1.137,0) 3(-1.137,-0.95) 4(1.137,-0.95) 5(1.137,0) 6(1.137,0.95)
SOT-353_SC-70-5
  rrect 0.65x0.4 smd: 1(-0.95,0.65) 2(-0.95,0) 3(-0.95,-0.65) 4(0.95,-0.65) 5(0.95,0.65)
Standoff_Wurth_9774025243R
  custom 5.12x5.12 smd: (-2.055,0)
  round 3 hole 3 unplated: (0,0)
  custom 5.3x5.3 smd: 1(-2.075,0)
TE_1-2199230-6
  round 0.3 hole 1.1 unplated: (-10,-1.5)
  round 0.3 hole 1.6 unplated: (10,-1.5)
  rect 0.3x1.55 smd: 1(-9.25,3.775) 2(-9,-3.775) 3(-8.75,3.775) 4(-8.5,-3.775) 5(-8.25,3.775) 6(-8,-3.775) 7(-7.75,3.775) 8(-7.5,-3.775) 9(-7.25,3.775) 10(-7,-3.775) 11(-6.75,3.775) 12(-6.5,-3.775) 13(-6.25,3.775) 14(-6,-3.775) 15(-5.75,3.775) 16(-5.5,-3.775) 17(-5.25,3.775) 18(-5,-3.775) 19(-4.75,3.775) 20(-4.5,-3.775) 21(-4.25,3.775) 22(-4,-3.775) 23(-3.75,3.775) 24(-3.5,-3.775) 25(-3.25,3.775) 26(-3,-3.775) 27(-2.75,3.775) 28(-2.5,-3.775) 29(-2.25,3.775) 30(-2,-3.775) 31(-1.75,3.775) 32(-1.5,-3.775) 33(-1.25,3.775) 34(-1,-3.775) 35(-0.75,3.775) 36(-0.5,-3.775) 37(-0.25,3.775) 38(0,-3.775) 39(0.25,3.775) 40(0.5,-3.775) 41(0.75,3.775) 42(1,-3.775) 43(1.25,3.775) 44(1.5,-3.775) 45(1.75,3.775) 46(2,-3.775) 47(2.25,3.775) 48(2.5,-3.775) 49(2.75,3.775) 50(3,-3.775) 51(3.25,3.775) 52(3.5,-3.775) 53(3.75,3.775) 54(4,-3.775) 55(4.25,3.775) 56(4.5,-3.775) 57(4.75,3.775) 58(5,-3.775) 67(7.25,3.775) 68(7.5,-3.775) 69(7.75,3.775) 70(8,-3.775) 71(8.25,3.775) 72(8.5,-3.775) 73(8.75,3.775) 74(9,-3.775) 75(9.25,3.775)
  rect 1.2x2.75 smd: 76(-10.35,3) 76(10.35,3)
